# Altium PCB Mainboard_bc847c_bak.PcbDoc (part 1 of 2) (continued)
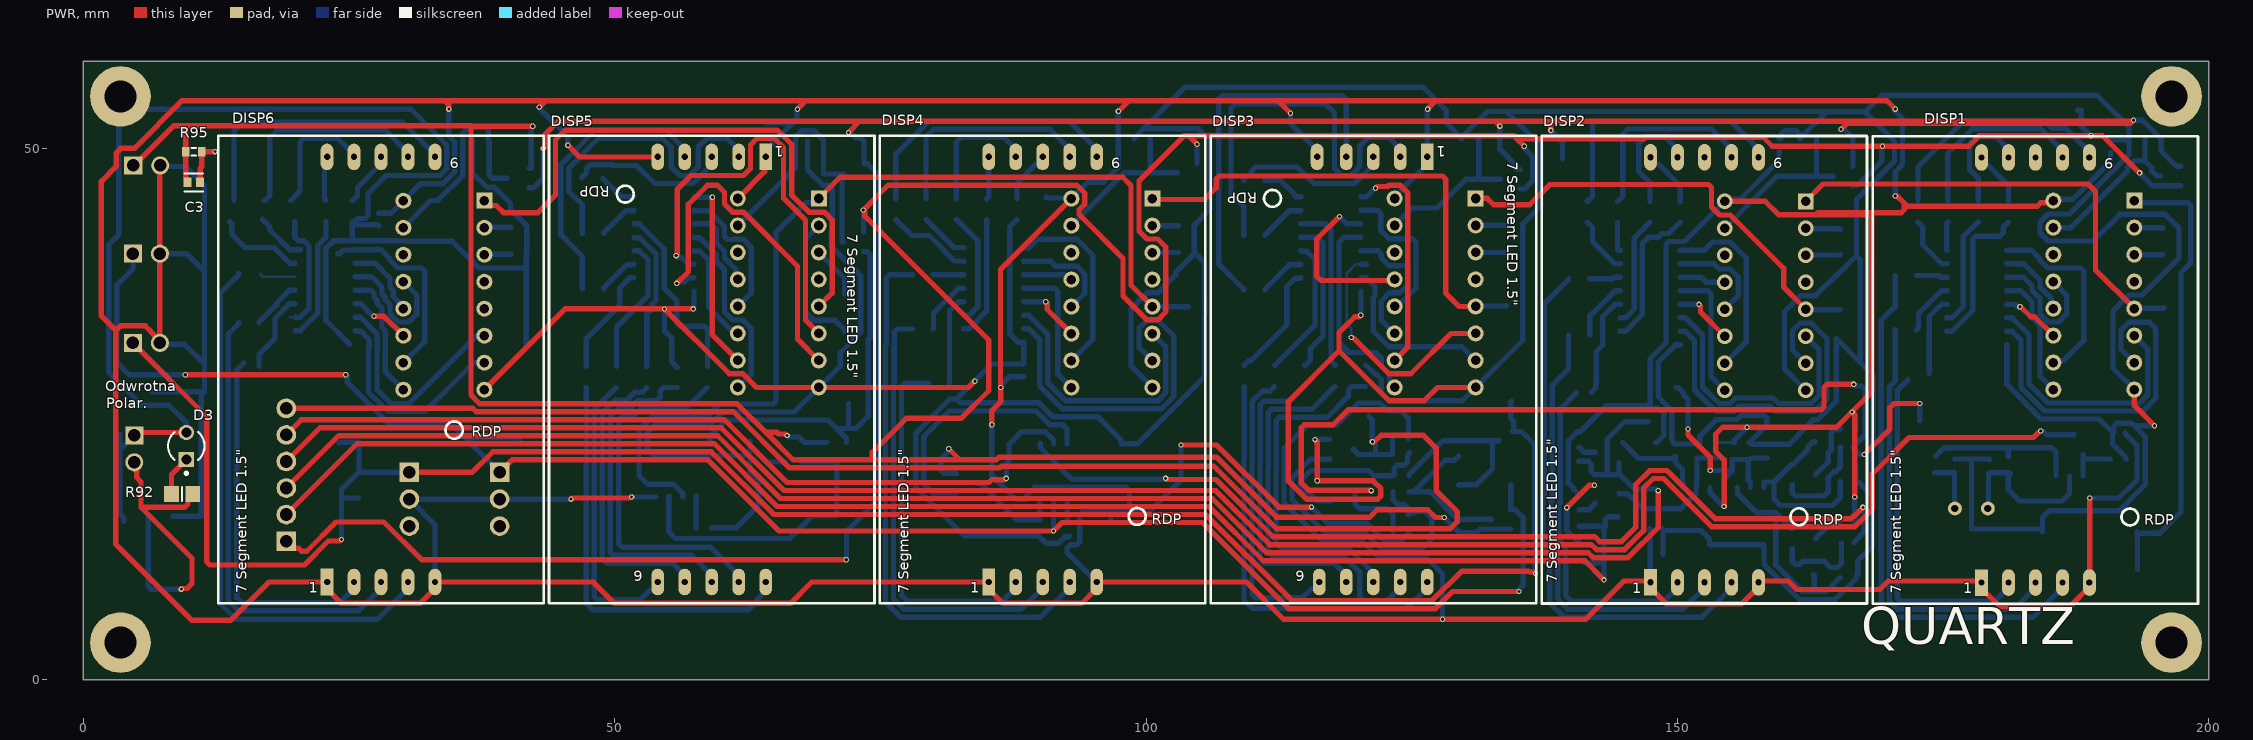
[diagram p0: PWR view]
## Footprints (in the part's own frame and the unit in brackets; to place one, negate y for a bottom-side part, rotate by r counter-clockwise, add the part's x,y. Pads: shape width x height; smd on the part's side, far side on the other; paste and mask are expansions set on the pad) (continued)
  rect 1.359x0.587 smd paste+0 mask+0: 1(-0.927,0.915)
  rrect100% 1.359x0.587 smd paste+0 mask+0: 2(-0.927,-0.915) 3(0.927,0)
  silkscreen extent 0.13,-1.45 0.65,1.45, body extent -1.2,-1.45 1.2,1.45, height 1.1
INF-PG-SOT223_SC-73_N [mm] "SOT223, 4-Leads, Body 6.5x3.5mm, Pitch 2.3mm, IPC Medium Density"
  rect 1.6x0.9 smd: 1(-3.3,2.3) 2(-3.3,0) 3(-3.3,-2.3)
  rect 1.6x3.2 smd: 4(3.3,0)
  silkscreen extent -3.42,-3.35 2.2,3.42, body extent -1.85,-3.35 1.85,3.35, height 1.8
INF-SOT23_L [mm] "SOT23, 3-Leads, Body 2.9x1.3 mm, Pitch 0.95 mm, IPC High Density"
  rect 0.75x0.6 smd: 1(-1.1,0.95) 2(-1.1,-0.95) 3(1.1,0)
  silkscreen extent -1.22,-1.5 0.7,1.92, body extent -0.7,-1.5 0.7,1.5, height 1.1
J1-0603 [mm] "Chip Resistor, Body 1.6x0.8mm, IPC High Density"
  rect 0.7x0.9 smd: 1(-0.75,0) 2(0.75,0)
  silkscreen extent -0.2,-0.35 0.2,0.35, body extent -0.85,-0.48 0.85,0.48, height 0.9
MOLX-22-27-2021_V [mm] "Header, 2-Leads, Body 5.8x5.08mm"
  rect 1.7x1.7 hole 1.19: 1(-1.27,0)
  round 1.7 hole 1.19: 2(1.27,0)
  silkscreen extent -3.31,-2.9 2.54,2.9, body extent -2.54,-2.9 2.54,2.9, height 11.72
N0016A [mm] "DIP, 16-Leads, Body 19.7x6.6mm, Pitch 2.54mm"
  rect 1.5x1.5 hole 0.9: 1(-3.81,8.89)
  round 1.5 hole 0.9: 2(-3.81,6.35) 3(-3.81,3.81) 4(-3.81,1.27) 5(-3.81,-1.27) 6(-3.81,-3.81) 7(-3.81,-6.35) 8(-3.81,-8.89) 9(3.81,-8.89) 10(3.81,-6.35) 11(3.81,-3.81) 12(3.81,-1.27) 13(3.81,1.27) 14(3.81,3.81) 15(3.81,6.35) 16(3.81,8.89)
  silkscreen extent -3.94,-9.85 2.65,10.31, body extent -3.95,-9.85 3.95,9.85, height 5.08
R38 [mm] "Crystal, Thru-Hole; 2 Leads; Body 3.1 x 8.2 mm (Dia.xH)"
  round 1.3 hole 0.7: 1(0,1.55) 2(0,-1.55)
  silkscreen extent -1.55,-1.19 1.55,1.17
STM-SO-16_M [mm] "SOIC, 16-Leads, Body 10x4mm, Pitch 1.27mm, IPC Low Density"
  oval 1.65x0.65 smd: 1(-2.825,4.445) 2(-2.825,3.175) 3(-2.825,1.905) 4(-2.825,0.635) 5(-2.825,-0.635) 6(-2.825,-1.905) 7(-2.825,-3.175) 8(-2.825,-4.445) 9(2.825,-4.445) 10(2.825,-3.175) 11(2.825,-1.905) 12(2.825,-0.635) 13(2.825,0.635) 14(2.825,1.905) 15(2.825,3.175) 16(2.825,4.445)
  silkscreen extent -2.95,-5 1.6,5.44, body extent -2,-5 2,5, height 1.75
TestPoint-Footprint-1 [mil]
  rrect50% 80x60 smd: 1(0,0)
  silkscreen extent -55,-45 55,45

## Part data
"A GATE" "B GATE": library part CMP-04776-000327-1, "CONN HEADER VERT 3POS 2.54MM", Color=Natural, Contact Resistance=10mR, Current rating=4A, Housing Color=White, Max Operating Temperature=75°C, Min Operating Temperature=0°C, Voltage rating=250V, Connector Type="Male Pin", Contact material=Brass, Contact Mating Length=0.295inch, Contact Plating=Gold, Contact Type="Male Pin", Depth=5.8mm, Fastening Type=Friction, Gender=Male, Housing material=Nylon, Lead Pitch=2.54mm, Length=7.62mm, Mount="Through Hole", Number of Contacts=3, Number of Positions=3, Number of Rows=1, Orientation=Straight, Packaging=Bulk, Pitch=2.54mm, Radiation Hardening=No, RoHS Compliant=Yes, Series="KK® 6410", Termination=Solder, Working Voltage=250V
"A GT SW" "B GT SW" PWR RST: library part CMP-2000-05537-1, "Male Header, Pitch 2.54 mm, 1 x 2 Position, Height 11.7 mm, Tail Length 3.56 mm, 0 to 75 degC, RoHS, Bulk", Current - Max=4A, Manufacturer=Molex, Operating temperature=0°Cto+75°C, Package Description="2-Leads Header, Body 5.08 x 5.8 mm, Pitch 2.54 mm", Package Version="Rev. BC, 02/2012", PartNumber=0022272021, Voltage - Max=250V, Contact material=Tinplatedbrass, Current rating=4A, Datasheet URL=http://www.molex.com/pdm_docs/sd/022272021_sd.pdf, Datasheet Version="Rev. F, 06/2009", Housing material=Nylon(UL94V-0), Manufacturer URL=http://www.molex.com/, Mounting Technology=ThroughHole, No. of Positions=2, No. of Rows=1, Orientation=Vertical, Package Reference=22-27-2021, Pitch=2.54mm, Voltage rating=250V
C1 C2 C3 C4 C5 C6 C7 C8 C9 C10 C11 C12 C13 C14 C15 C16 C17 C18 C19 C20: library part CMP-1035-00914-3, "CAP CER 30PF 50V 5% NP0 0603", Capacitance="30 pF", Manufacturer=KEMET, Manufacturer Part Number=C0603C300J5GACTU, Package=C0603C-CF, Temperature="-55°C to +125°C", Temperature Characteristic=C0G, Temperature Coefficient=30ppm/°C, Temperature Range High=+125°C, Temperature Range Low=-55°C, Tolerance=0.05, Voltage rating="50 V", Automotive=Yes, Automotive Grade="Grade 1", Category=Cap, ComponentLink2Description=Datasheet, ComponentLink2URL=https://api.kemet.com/component-edge/download/datasheet/C0603C100J5GACAUTO.pdf, Device Class L1="Passive Components", Device Class L2=Capacitors, Device Class L3="Ceramic Capacitors", Digikey Description="CAP CER 30PF 50V 5% NP0 0603", Height=0.87mm, Lead Free=Yes, Material=Ceramic, Mouser Description="Multilayer Ceramic Capacitors MLCC - SMD/SMT 50volts 30pF C0G 5%", Octopart=https://octopart.com/c0603c300j5gactu-kemet-199455, RoHS=TRUE
D1 D2 D4 D5 D6 D7 D8 D9 D10 D11 D12 D13 D14: library part CMP-12790-000084-1, "DIODE ARRAY SCHOTTKY 30V SOT23-3", Average Rectified Current=200mA, Capacitance=10pF, Case/Package=SOT-23, Forward Voltage=800mV, Max Forward Surge Current (Ifsm)=600mA, Max Operating Temperature=150°C, Max Power Dissipation=200mW, Max Repetitive Reverse Voltage (Vrrm)=30V, Max Reverse Current=2uA, Min Operating Temperature=-65°C, Package Quantity=3000, Contact Plating=Tin, Current rating=200mA, Element Configuration="Common Cathode", Forward Current=200mA, Height=1mm, Lead Free="Lead Free", Length=2.9mm, Max Reverse Voltage (DC)=30V, Mount="Surface Mount", Number of Pins=3, Packaging="Tape and Reel", Peak Non-Repetitive Surge Current=600mA, Power Dissipation=200mW, Power Rating=200mW, Radiation Hardening=No, REACH SVHC="No SVHC", Reverse Recovery Time=5ns, RoHS Compliant=Yes, Series=-, Termination=SMD/SMT, Voltage Rating (DC)=30V, Weight=0.000282oz, Width=1.3mm
D3: library part CMP-18399-000007-1, "LED RED DIFFUSED T-1 T/H", Colour=Red, Forward Current=10mA, Forward Voltage=1.9V, Manufacturer=Broadcom, Max Junction Temp=+110°C, Package=0, Reverse Voltage=5V, Temperature="-40°C to +100°C", Temperature Range High=+100°C, Temperature Range Low=-40°C, Automotive=No, Category=Diode, ComponentLink2Description=Datasheet, ComponentLink2URL=https://docs.broadcom.com/docs/AV02-1555EN, Device Class L1=Optoelectronics, Device Class L2=LEDs, Device Class L3=unset, Digikey Description="LED RED DIFFUSED T-1 T/H", Lead Free=Yes, Led Orientation=Straight, Luminous Intensity=3.4mcd, Manufacturer Part Number=HLMP-1301, Mouser Description="Standard LEDs - Through Hole Red Diffused 635nm 3.4mcd", Octopart=https://octopart.com/hlmp-1301-broadcom-71130345, Peak Emmision Wavelength=635nm, RoHS=TRUE, Viewing Angle=60°, Wavelength=626nm
DISP1 DISP2 DISP4 DISP6: library part CMP-007-00036-2, "7 segment display 1.5 inch"
DISP3 DISP5: library part CMP-00000-1, "7 segment 1.5 inch display Upside down"
"MODE SWITCH": library part CMP-04776-000934-1, "CONN HEADER VERT 6POS 2.5MM", Color=Natural, Contact Resistance=20mR, Current rating=3A, Flammability Rating="UL94 V-0", Insulation Resistance=1GR, Max Operating Temperature=105°C, Max Voltage Rating (DC)=250.25kV, Min Operating Temperature=-40°C, Package Quantity=1, Voltage rating=250V, Connector Type="Male Pin", Contact Gender=Male, Contact material=Brass, Contact Mating Length=0.295inch, Contact Plating=Tin, Contact Type="Male Pin", Fastening Type=Friction, Gender=Male, Glow Wire Compliant=Non-compliant, Halogen Free="Low Halogen", Height=11.7mm, Hole Diameter=1.19mm, Housing Color=Natural, Housing material=Nylon, Lead Free="Lead Free", Lead Pitch=2.5mm, Length=14.5mm, Mount="Through Hole", Number of Circuits=6, Number of Contacts=6, Number of Poles=6, Number of Positions=6, Number of Rows=1, Orientation=Straight, Packaging=Bulk, Pitch=2.5mm, Radiation Hardening=No, Series="KK® 5045", Termination=Solder, Voltage Rating (AC)=250V, Voltage Rating (DC)=250V, Width=5.8mm, Working Voltage=250V
Q1 Q2 Q3 Q4 Q5 Q6: library part CMP-1177-00037-1, "NPN Silicon AF Transistor, 45 V VCEO, 100 mA IC, SOT23, Reel, Green", Manufacturer=Infineon, ComponentLink1Description="Manufacturer URL", ComponentLink1URL=http://www.infineon.com/, ComponentLink2Description=Datasheet, ComponentLink2URL=http://www.infineon.com/dgdl/bc847series_bc848series_bc849series_bc850series.pdf?folderId=db3a304314dca389011541d30fa21656&fileId=db3a304314dca389011541d4630a1657, ComponentLink3Description="Package Specification", ComponentLink3URL=http://www.infineon.com/dgdl/SOT23-Package_Overview.pdf?folderId=db3a30431936bc4b0119532290053c66&fileId=db3a30431936bc4b0119533468123c85, fT (typ)="250Â MHz", Green=TRUE, IBM (max)="200Â mA", IC (max)="100Â mA", ICBO (max)="15Â nA", ICM (max)="200Â mA", Mounting Technology="Surface Mount", PackageDescription="3-Pin Small Outline Transistor Package, 1.3 x 2.9 mm Body, 0.95 mm Pitch", PackageReference=SOT23, PackageVersion=Apr-08, Packing=Reel, PartNumber=BC847C, Polarity=NPN, Ptot (max)="330Â mW", VCBO (max)="50Â V", VCEO (max)="45Â V", VEBO (max)="6Â V"
Q7: library part CMP-1099-00020-1, "P-Channel SIPMOS Small-Signal-Transistor, -60 V VDS, -1.9 A ID, -55 to 150 degC, PG-SOT223 (SC-73), Reel, Green", Manufacturer=Infineon, ComponentLink1Description="Manufacturer URL", ComponentLink1URL=http://www.infineon.com/, ComponentLink2Description=Datasheet, ComponentLink2URL=http://www.infineon.com/dgdl/BSP170P_Rev2.53.pdf?folderId=db3a304314dca38901154a72e3951a65&fileId=db3a30433b47825b013b5fdad470576f, ComponentLink3Description="Package Specification", ComponentLink3URL=http://www.infineon.com/dgdl/SOT223-Package_Overview.pdf?folderId=db3a30431936bc4b0119530470b03c3d&fileId=db3a30431936bc4b0119531d40b93c5c, DatasheetVersion="Rev. 2.53", Green=TRUE, Halogen-free=TRUE, ID (max)="-1.9Â A", IDpuls (max)="-7.6Â A", Mode=Enhancement, Mounting Technology="Surface Mount", PackageDescription="4-Pin Small Outline Transistor Package, 6.5 x 3.5 mm Body, 2.3 mm Pitch", PackageReference="PG-SOT223 (SC-73)", PackageVersion=Apr-08, Packing=Reel, PartNumber=BSP170P, Polarity=P, Pto t (max)="1.8Â mW", QG="-12.5Â nC", RDS (on) (max)="300Â mOhm", Rth="110Â K/W", Technology=SIPMOS, VDS (max)="-60Â V", VGS(th) (max)="-4Â V", VGS(th) (min)="-2.1Â V"
R1 R2 R3 R4 R5 R6 R7 R8 R9 R10 R11 R12 R13 R14 R15 R16 R17 R18 R19 R20 R21 R22 R23 R24 R25 R26 R27 R28 R29 R30 R31 R32 R33 R34 R35 R36 R37 R38 R39 R40 R41 R42 R43 R44 R45 R46 R47 R48 R49 R50 R51 R52 R53 R54 R55 R56 R57 R58 R59 R60 R61 R62 R63 R64 R65 R66 R67 R68 R69 R70 R71 R72 R73 R74 R75 R76 R77 R78 R79 R80 R81 R82 R83 R84 R85 R86 R87 R88 R89 R90 R91 R92 R93 R94 R95: "Resistor", LatestRevisionDate=29-May-2009, LatestRevisionNote="IPC-7351 Footprint Added.", PackageDescription="Chip Resistor", PackageReference=J1-0603, Published=8-Jun-2000, Publisher="Altium Limited"
TP1 TP2 TP3 TP4 TP5 TP6 TP7 TP8 TP9 TP10 TP11 TP12 TP13 TP14 TP15 TP16 TP17 TP18 TP19 TP23 TP24: library part CMP-00001-5, "Pad for testing"
U1 U6: library part CMP-1623-00072-2, "CMOS Decade Counter with 10 Decoded Outputs, D0016A, LARGE T&R", F @ Nom Voltage(Max)(Mhz)=8, Generic Part Number=CD4017B, ICC @ Nom Voltage(Max)(mA)=0.03, Manufacturer="Texas Instruments", Operating Temperature Range(C)="-55 to 125", Rating=Military, tpd @ Nom Voltage(Max)(ns)=270, Voltage(Nom)(V)=10, Bits(#)=10, Code_JEDEC="MS-012 variation AC", DatasheetVersion=SCHS027C, Function=Counter, Input Type=CMOS, Inputs=1, Output Drive (IOL/IOH)(Max)(mA)=1.5/-1.5, Output Type=CMOS, PackageReference=D0016A, Schmitt Trigger=No, Technology Family=CD4000, Type=Decade, VCC(Max)(V)=18, VCC(Min)(V)=3
U2 U4 U7 U9 U11 U13: library part CMP-1623-00561-2, "CMOS Decade Counter/Divider with Decoded 7-Segment Display Outputs and Display Enable, N0016A, TUBE", F @ Nom Voltage(Max)(Mhz)=8, Generic Part Number=CD4026B, ICC @ Nom Voltage(Max)(mA)=0.03, Manufacturer="Texas Instruments", Operating Temperature Range(C)="-55 to 125", Rating=Catalog, tpd @ Nom Voltage(Max)(ns)=250, Voltage(Nom)(V)=5,10,15, Bits(#)=7, Code_JEDEC=MS-001, DatasheetVersion=SCHS031B, Function=Counter, Input Type=CMOS, Inputs=1, Output Drive (IOL/IOH)(Max)(mA)=1.5/-1.5, Output Type=CMOS, PackageReference=N0016A, Schmitt Trigger=No, Technology Family=CD4000, Type=Decade, VCC(Max)(V)=18, VCC(Min)(V)=3
U3 U5 U8 U10 U12 U14: library part CMP-2000-05374-1, "Seven NPN Darlington Array Transistor, 50 V, 500 mA, -40 to 85 degC, 8-Pin SOIC, RoHS, Tape and Reel", Collector Emitter Voltage V(br)ceo=50V, DC Collector Current=500mA, DC Current Gain hFE=1000hFE, Manufacturer=STMicroelectronics, Operating Temperature Max=85degC, Package Description="16-Pin Small Outline Integrated Circuit, Body 9.9 x 3.9 mm, Pitch 1.27 mm", Package Reference=SO-16, Power Dissipation Pd=-, Transistor Case Style=SOIC, Automotive Qualification Standard=-, Datasheet URL=https://datasheet.ciiva.com/1193/1690348-1193460.pdf, Datasheet Version="Rev. 8, 06/2012", Manufacturer URL=http://www.st.com/, MSL=MSL1-Unlimited, No. of Pins=16Pins, Product Range=-, SVHC=NoSVHC(17-Dec-2015), Transistor Polarity=NPN
U15: library part CMP-1086-00004-4, "CMOS 14-Stage Ripple Carry Binary Counter / Divider and Oscillator, 3 to 18 V, -55 to 125 degC, 16-Pin SOIC (D), Green (RoHS & no Sb/Br), Tape and Reel", Manufacturer="Texas Instruments", Temperature Range="-55 to 125 degC", ComponentLink1Description="Manufacturer URL", ComponentLink1URL=http://www.ti.com, ComponentLink2Description=Datasheet, ComponentLink2URL=http://www.ti.com/lit/ds/symlink/cd4060b.pdf, ComponentLink3Description="Package Specification", ComponentLink3URL=http://www.ti.com/lit/ml/mpds178g/mpds178g.pdf, DatasheetVersion=SCHS049C, Mounting Technology="Surface Mount", Note1="Green (RoHS & no Sb/Br)", PackageDescription="16-Pin Plastic Small-Outline Package, Body 9.9 x 3.9 mm, Pitch 1.27 mm", PackageReference=D0016A, PackageVersion=4040047-6/M, Packing="Tape and Reel", PartNumber=CD4060BM96, tPHL, tPLH (typ) @ 5 V="370 ns", VDD="3 to 18 V"
U16: library part CMP-04896-000028-1, "IC QUAD DIFF COMP 14-SOIC", Input Bias Current=-0.025uA, Input Offset Voltage=2mV, Manufacturer="Texas Instruments", Max Dual Supply Voltage=18V, Max Junction Temp=+70°C, Max Supply Voltage=30V, Min Dual Supply Voltage=1V, Min Supply Voltage=2V, Nominal Supply Current=0.8mA, Output Current Per Channel=6mA, Package=D0014A, Temperature="0°C to +70°C", Temperature Range Low=0°C, Automotive=No, Category=IC, ComponentLink2Description=Datasheet, ComponentLink2URL=http://www.ti.com/lit/ds/symlink/lm339.pdf, Device Class L1="Integrated Circuits (ICs)", Device Class L2="Linear ICs", Device Class L3=Comparators, Digikey Description="IC QUAD DIFF COMP 14-SOIC", Height=1.75mm, Ipc Land Pattern Name=SOIC127P600X175-14, Lead Free=Yes, Manufacturer Part Number=LM339DR, Mouser Description="Analog Comparators Quad Differential", Number Of Channels=4, Octopart=https://octopart.com/lm339dr-texas+instruments-45532, Response Time=1.3us, RoHS=TRUE, Standoff Height=0.1mm, Temperature Range High=+70°C
Y1: library part XTAL, "Crystal Oscillator", LatestRevisionDate=17-Jul-2002, LatestRevisionNote="Re-released for DXP Platform.", PackageDescription="Crystal, Thru-Hole; 2 Leads; Body 3.1 x 8.2 mm (Dia.xH)", PackageReference=R38, Published=8-Jun-2000, Publisher="Altium Limited"

## Free pads (board coordinates)
  round 5.7 hole 3: 2(3.5,3.5) 2(3.5,54.9) 2(196.5,3.5) 2(196.5,54.9)

## Via types
v1: diameter 0.5, hole 0.3, PWR to GND, 78 vias

## Nets (pads, with @x,y where several pads share a name; then routed paths per layer and width w, separated by ;. In a path a pad name is that pad's centre, name@x,y a point inside that pad or via, vN(x,y) a via of type N, cw(c..) or ccw(c..) an arc to the next point about the centre after c; other vN are vias at no path point)
0.1Hz: TP23.1 U2.5 U4.1 U6.14 | length 90.8
  PWR w0.5: U4.1@69.21,45.29 71.208,47.288 97.811,47.288 98.592,46.507 98.592,37.128 U2.5@100.6,35.12
  GND w0.5: U6.14@56.395,17.204 56.395,17.554 55.549,18.4 53.1,18.4 52.3,19.2 52.3,23.549 53.497,24.746 58.673,24.746 59.875,25.947 64.883,25.947 65.176,26.24 65.176,42.076 68.02,44.92 68.84,44.92 U4.1@69.21,45.29 ; U2.5@100.6,35.12 100.61,35.11 103.29,35.11 103.3,35.1 TP23.1@104,35.1
1Hz: TP5.1 U2.1 U13.5 | length 46.1
  PWR w0.5: U2.1@100.6,45.28 100.68,45.2 105.5,45.2 106.6,46.3 106.6,47.107 106.893,47.4 127.907,47.4 128.2,47.107 128.2,36.4 129.47,35.13 U13.5@131.01,35.13
  GND w0.5: U13.5@131.01,35.13 131.045,35.165 133.865,35.165 TP5.1@133.9,35.2
10Hz: TP3.1 U11.5 U13.1 | length 42.3
  PWR w0.5: U13.1@131.01,45.29 131.02,45.3 132.1,45.3 132.7,44.7 136.1,44.7 138,46.6 152.915,46.6 153.207,46.307 153.207,44.506 153.974,43.739 154.981,43.739 160,38.72 160,36.947 U11.5@162.081,34.865
  GND w0.5: U11.5@162.081,34.865 162.114,34.833 165.267,34.833 TP3.1@165.3,34.8
"60 second reset": D7.2 D8.2 TP24.1 U6.5 | length 36.8
  GND w0.5: U6.5@58.935,22.525 58.935,22.875 60.499,24.439 70.088,24.439 70.874,23.654 ; D8.2@71.815,22.327 71.815,22.713 70.874,23.654 ; TP24.1@72,26 72,23.654 ; D7.2@73.412,40.285 73.774,40.285 74.052,40.007 74.052,32.189 73.856,31.993 73.856,28.9 73.856,24.8 72.71,23.654 72,23.654 ; 70.874,23.654 72,23.654
100Hz: TP1.1 U9.5 U11.1 | length 43.6
  PWR w0.5: U11.1@162.081,45.025 163.716,46.66 182.44,46.66 188.64,46.66 189.354,45.946 189.354,38.573 U9.5@193,34.927
  GND w0.5: U9.5@193,34.927 193.037,34.963 195.743,34.963 TP1.1@195.78,35
+5: "A GATE.2" "A GT SW.2" "B GATE.2" "B GT SW.2" C9.2 C10.2 C11.2 C12.2 C13.2 C14.2 C15.2 C16.2 C17.2 C18.2 DISP1.1 DISP1.5 DISP2.1 DISP2.5 DISP3.1 DISP3.5 DISP4.1 DISP4.5 DISP5.1 DISP5.5 DISP6.1 DISP6.5 Q7.3 R72.1 R73.1 R78.1 R79.1 R80.1 R83.1 R86.1 R89.1 R90.1 RST.2 TP11.1 U1.16 U2.16 U4.16 U6.16 U7.16 U9.16 U11.16 U13.16 U15.16 U16.3 | length 925.9
  PWR w0.5: 7.21,31.7 7.21,31.889 ; RST.2@7.21,48.3 7.21,40.1 7.21,31.889 ; v1(34.4,53.7) 34.4,54.1 34,54.5 ; v1@42.9,53.863 43.537,54.5 ; v1(45.6,50.3) 46.7,49.2 DISP5.5@54.052,49.2 ; v1(45.9,17) 46,17.1 51.5,17.1 v1(51.6,17.2) ; U4.16@61.59,45.29 64.112,47.812 64.112,49.1 DISP5.1@64.212,49.2 ; v1(67.2,53.695) 68.005,54.5 ; v1(85.5,24) 85.5,25.331 86.339,26.17 v1(86.339,27.5) 86.3,27.539 86.3,38.6 U2.16@92.98,45.28 ; v1(97.4,53.5) 98.4,54.5 ; v1(103.3,22.1) 106.646,22.1 112.5,16.246 v1(115.582,16.246) ; v1(113.6,53.31) 112.5,54.41 112.5,54.5 ; DISP3.5@116.1,49.2 DISP3.5@116.1,49.796 ; DISP3.1@126.368,49.95 126.468,49.85 DISP3.1@126.468,49.2 ; v1(126.5,53.695) 127.305,54.5 ; v1(154.4,16.3) 154.4,20.7 153.6,21.5 153.6,23.1 154.261,23.761 v1(156.561,23.761) 164.972,23.761 v1@166.411,25.2 ; U11.16@154.461,45.025 158.259,45.025 159.513,43.771 163.04,43.771 ; v1@166.428,25.218 168.3,27.089 168.3,43.771 163.04,43.771 ; v1(166.446,25.2) 166.7,24.946 v1(166.7,17.2) ; v1(170.5,45.521) 170.679,45.521 171.36,44.84 ; v1(170.5,53.7) 169.7,54.5 127.305,54.5 ; U9.16@185.38,45.087 185.189,44.895 184.206,44.895 183.872,44.561 171.639,44.561 171.36,44.84 ; DISP1.5@188.75,8.704 186.946,6.9 180.34,6.9 178.59,8.65 178.59,9.3 169.84,9.3 169.04,8.5 161.233,8.5 160.433,9.3 157.622,9.3 157.622,8.565 157.539,8.482 157.399,8.482 156.084,7.166 148.946,7.166 147.692,8.42 147.571,8.42 147.462,8.529 147.462,9.3 144.964,9.3 141.352,5.688 112.965,5.688 109.453,9.2 DISP4.5@95.36,9.2 95.36,8.604 93.952,7.196 86.554,7.196 85.2,8.55 DISP4.1@85.2,9.2 68.544,9.2 66.54,7.196 49.984,7.196 47.98,9.2 DISP6.5@33.1,9.2 33.1,8.604 31.692,7.196 24.294,7.196 22.94,8.55 DISP6.1@22.94,9.2 17.477,9.2 13.888,5.611 10.189,5.611 3.066,12.734 3.066,32.862 ; DISP1.5@188.8,9.2 v1(188.8,17.1) ; 3.066,32.862 3.508,33.304 5.832,33.304 6.369,32.767 6.369,32.73 7.21,31.889 ; 3.066,32.862 1.7,34.228 1.7,46.9 3.096,48.296 3.096,49.562 3.538,50.004 4.804,50.004 9.3,54.5 34,54.5 ; 34,54.5 43.537,54.5 ; 43.537,54.5 68.005,54.5 ; 68.005,54.5 98.4,54.5 ; 98.4,54.5 112.5,54.5 ; 112.5,54.5 127.305,54.5 ; 163.04,43.771 163.228,43.96 171.067,43.96 171.36,44.252 171.36,44.84
  GND w0.254: R83.1@153.8,22.35 153.819,22.331 R78.1@155.253,22.331
  GND w0.5: TP11.1@6.5,27.1 11.4,27.1 ; 7.21,31.7 7.344,31.566 9.548,31.566 11.4,29.714 ; 7.21,40.1 9.7,40.1 11.4,38.4 ; RST.2@7.21,48.3 9.6,48.3 11.4,46.5 11.4,38.4 ; Q7.3@8.4,15.4 11.1,15.4 11.1,26.8 11.4,27.1 ; C13.2@27.805,43.9 28.943,43.9 U7.16@30.123,45.08 31.726,46.682 33.86,46.682 34.958,47.78 34.958,50.62 34.4,51.178 v1(34.4,53.7) ; DISP6.5@33.1,9.2 33.1,14.58 30.68,17 39.18,17 v1(45.9,17) ; v1(42.9,53.9) 42.9,53.8 45.6,51.1 v1(45.6,50.3) ; v1(51.6,17.2) 51.604,17.204 U6.16@53.855,17.204 ; C11.2@64.2,52.4 66.1,52.4 66.431,52.069 ; DISP5.1@64.212,49.2 64.212,49.85 66.431,52.069 ; v1(67.2,53.695) 67.148,53.643 67.148,52.787 66.431,52.069 ; v1(85.5,24) 85.5,19.232 87.757,16.975 U1.16@88.755,16.975 88.755,17.325 89.534,18.104 98.1,18.104 98.424,17.78 98.424,16.17 98.1,15.846 ; v1(86.339,27.5) 86.339,27.708 87.121,28.49 87.121,28.521 C12.2@88.5,28.521 ; C10.2@90.6,45.4 90.66,45.34 92.92,45.34 U2.16@92.98,45.28 94.513,46.813 95.987,46.813 97.4,48.226 v1(97.4,53.5) ; DISP4.5@95.36,9.2 92.571,11.989 92.571,12.403 92.864,12.696 93.459,12.696 93.754,12.991 93.754,15.553 94.047,15.846 96.6,15.846 ; C9.2@96.7,14.8 96.7,15.746 96.6,15.846 ; v1(103.3,22.1) 103.3,18.8 100.346,15.846 98.1,15.846 ; v1(113.6,53.31) 113.6,52.35 116.1,49.85 DISP3.5@116.1,49.2 ; v1(115.582,16.246) 117.104,14.724 120.794,14.724 122.572,12.946 123.896,12.946 124.75,13.8 R72.1@124.75,13.9 ; U13.16@123.39,45.29 123.39,45.472 126.468,48.55 DISP3.1@126.468,49.2 126.468,53.663 v1(126.5,53.695) ; R73.1@124.697,22.654 124.697,24.597 123.969,25.324 122.736,25.324 122.009,26.052 119.98,26.052 117.867,23.938 115.138,23.938 113.007,21.807 113.007,19.34 112.984,19.316 112.984,16.65 116.418,13.216 120.169,13.216 121.947,11.438 126.442,11.438 127.9,9.98 v1(127.9,5.7) ; R90.1@140.774,17.504 140.674,17.504 140.254,17.925 140.254,17.983 139.746,18.491 139.746,22.496 140.6,23.35 R86.1@140.7,23.35 140.871,23.35 143.321,25.8 147.446,25.8 ; C15.2@147.4,14.2 147.464,14.136 C18.2@147.464,12.043 C18.2@147.464,11.8 ; DISP2.1@147.462,9.3 147.463,9.301 C18.2@147.463,11.8 ; R79.1@147.961,22.33 148.061,22.33 148.72,22.989 148.72,25.038 148.202,25.556 147.446,25.556 147.446,25.8 ; U16.3@153.073,18.094 153.073,17.619 153.539,17.153 153.539,17.11 154.349,16.3 v1(154.4,16.3) ; R78.1@155.261,22.323 155.361,22.323 155.361,22.561 v1(156.561,23.761) ; C17.2@159.6,49.7 159.568,49.668 159.568,48.868 155.917,45.217 154.653,45.217 U11.16@154.461,45.025 150.671,41.235 149.231,41.235 148.938,40.942 148.938,31.713 147.446,30.221 147.446,25.8 ; v1(166.446,25.2) 166.74,24.906 166.74,23.831 166.715,23.806 R80.1@166.815,23.706 ; v1(166.7,17.2) 166.7,14.686 R89.1@166.715,14.672 ; v1@170.429,45.521 v1(170.5,45.521) ; v1@170.5,45.592 170.5,47.8 171.193,48.493 171.193,52.799 170.5,53.492 v1(170.5,53.7) ; U9.16@185.38,45.087 185.512,45.219 187.217,45.219 190.766,48.768 190.766,49.573 C16.2@190.793,49.6 ; v1(188.8,17.1) 191.533,17.1 193.25,18.817 U15.16@193.25,19.167 193.25,22.029 192.154,23.125 C14.2@192.154,23.2 ; 11.4,27.1 11.4,29.714 ; 11.4,29.714 11.4,38.4 ; 96.6,15.846 98.1,15.846
"Display Reset 1": C3.1 D2.2 D4.2 D5.1 D7.1 D8.1 D10.1 D11.2 D12.2 D13.2 R95.1 RST.1 TP2.1 | length 400.6
  PWR w0.5: RST.1@4.67,48.3 8.495,52.125 9.2,52.125 ; C3.1@9.8,46.8 9.675,46.925 9.675,47.268 9.65,47.293 9.65,51.675 9.2,52.125 ; 36.489,52.125 9.2,52.125 ; v1(42.3,52.082) 42.282,52.1 36.489,52.1 36.489,26.781 37.292,25.978 61.522,25.978 64.2,23.3 ; v1(66.228,22.984) 66.081,23.131 65.435,23.131 65.266,23.3 64.2,23.3 ; v1(81.439,21.739) 82.378,20.8 ; 103.558,51.158 99.346,46.946 99.346,42.221 100.097,41.47 101.103,41.47 101.854,40.719 101.854,34.601 101.119,33.866 100.081,33.866 97.838,36.109 97.838,39.655 93.691,43.803 93.691,44.217 94.234,44.761 94.234,45.799 93.499,46.534 75.734,46.534 v1(73.4,44.2) 73.547,44.053 73.547,43.614 85.2,31.961 85.2,27.2 82.601,24.601 77.437,24.601 74.25,21.414 74.25,20.707 ; 103.593,51.193 134.607,51.193 134.9,50.9 ; 104.057,51.143 v1(104.8,50.4) ; v1(128.062,15.272) 127.238,15.272 126.51,16 121.763,16 121.063,15.3 112.264,15.3 106.616,20.948 86.16,20.948 85.918,20.707 74.25,20.707 ; v1(135.6,50.2) 134.9,50.9 ; v1(193.5,47.7) 190.007,51.193 178.422,51.193 177.429,50.2 v1(169.3,50.2) 158.933,50.2 158.079,51.054 147.005,51.054 146.85,50.9 134.9,50.9 ; 64.2,23.3 66.793,20.707 74.25,20.707
  GND w0.5: D10.1@41.97,48.115 42.109,48.115 42.153,48.158 42.153,51.935 v1(42.3,52.082) ; v1(66.228,22.984) 66.375,22.837 67.353,22.837 67.863,22.327 D8.1@69.985,22.327 ; v1(73.4,44.2) 73.412,44.188 D7.1@73.412,42.115 ; v1(81.439,21.739) 81.439,21.531 80.685,20.776 80.685,19.708 80.978,19.415 D4.2@82.173,19.415 ; v1(104.8,50.4) 104.801,50.399 D5.1@104.802,48.615 D5.1@104.802,48.615 ; v1(128.062,15.272) 129.485,13.848 131.097,13.848 131.434,14.185 D2.2@134.327,14.185 ; D13.2@135.212,46.185 135.598,46.185 136.395,46.982 136.395,49.196 135.6,49.992 v1(135.6,50.2) ; D12.2@166.527,46.485 166.555,46.513 166.941,46.513 169.243,48.815 169.243,50.143 v1(169.3,50.2) ; TP2.1@187.675,53.6 TP2.1@188,53.6 188,52.1 v1(188.9,51.2) ; v1(193.5,47.7) 194.715,46.485 D11.2@197.353,46.485
"Display Reset 2": "MODE SWITCH.1" D6.1 D9.1 D10.2 D11.1 D12.1 D13.1 TP4.1 | length 304.6
  PWR w0.5: 19.1,13.046 19.775,12.371 20.275,12.371 20.554,12.091 21.025,12.091 23.788,14.854 28.272,14.854 31.826,11.3 v1(71.8,11.3) ; v1(43.292,50) 43.439,50.147 43.439,51.305 44.69,52.556 73.056,52.556 ; v1(72,51.5) 73.056,52.556 ; v1(133.3,52.1) 132.844,52.556 ; v1@138.1,51.654 v1(138.1,51.7) 138.1,52.556 ; v1(165.4,51.8) 165.961,52.361 192.629,52.361 v1@192.824,52.556 ; v1(192.917,52.649) v1@192.824,52.556 ; 73.056,52.556 132.844,52.556 ; 132.844,52.556 134.076,52.556 138.1,52.556 ; 138.1,52.556 v1@192.824,52.556
  GND w0.5: D10.2@41.97,46.285 42.356,46.285 43.292,47.221 v1(43.292,50) ; v1@71.8,11.5 71.815,11.515 D9.1@71.815,13.573 71.815,13.959 74.61,16.754 74.61,31.681 74.806,31.877 74.806,47.521 73.769,48.558 73.47,48.558 73.47,50.658 73.129,50.999 72.709,50.999 72.208,51.5 v1(72,51.5) ; v1(133.3,52.1) 133.3,49.927 134.783,48.444 134.783,48.058 134.826,48.015 D13.1@135.212,48.015 ; v1(138.1,51.7) 139.2,50.6 TP4.1@139.2,49 ; v1(165.4,51.8) 165.7,51.8 166.527,50.973 D12.1@166.527,48.315 ; v1(192.917,52.649) 193.764,52.649 195.531,50.881 195.531,49.751 196.967,48.315 D11.1@197.353,48.315
GND: "A GATE.3" "B GATE.3" C1.2 C2.2 C3.2 C6.1 C7.1 C8.1 C9.1 C10.1 C11.1 C12.1 C13.1 C14.1 C15.1 C16.1 C17.1 C18.1 C19.2 C20.2 D3.2 pad.2 PWR.1 Q1.2 Q2.2 Q7.1 R1.2 R2.2 R10.2 R11.2 R12.2 R20.2 R21.2 R22.2 R23.1 R24.1 R25.2 R26.2 R34.2 R35.2 R36.2 R44.2 R45.2 R46.2 R54.2 R55.2 R56.2 R64.2 R65.2 R66.2 R67.1 R68.1 R71.2 R81.2 R82.2 R84.2 R85.2 R87.2 R88.2 R91.2 R93.2 R94.2 R95.2 U1.8 U2.8 U3.8 U4.8 U5.8 U6.8 U7.8 U8.8 U9.8 U10.8 U11.8 U12.8 U13.8 U14.8 U15.8 U16.8 U16.9 U16.10 U16.11 U16.12 | length 891.2
  PWR w0.5: PWR.1@4.8,23 5.07,23.27 D3.2@9.7,23.27 ; C3.2@11,46.8 11,48.112 11.15,48.263 R95.2@11.15,49.7 v1(12.4,49.7) ; U7.8@37.743,27.3 45.343,34.9 54.689,34.9 v1(54.7,34.889) 60.793,28.796 62.077,28.796 63.363,27.51 U4.8@69.21,27.51 83.31,27.51 v1(83.9,28.1) ; v1@54.7,34.9 v1(57.4,34.9) ; v1(115.9,22.6) 116.121,22.379 v1(116.121,18.721) 121.379,18.721 122.1,18 122.1,17.3 121.8,17 115.1,17 113.4,18.7 113.4,26.194 118.166,30.96 ; v1(120.2,34.3) 120.053,34.153 119.642,34.153 118.166,32.677 118.166,30.96 ; U13.8@131.01,27.51 127.432,27.51 126.178,26.256 122.871,26.256 118.166,30.96 ; v1(139.6,16.2) 141.7,18.3 v1(142.2,18.3) ; U9.8@193,27.307 193,25.8 v1(194.9,23.9)
  GND w0.5: 3.446,21.646 PWR.1@4.8,23 ; 3.446,23.046 3.446,15.604 3.8,15.25 Q7.1@3.8,14.9 ; D3.2@9.7,23.27 9.7,24.2 8.066,25.834 5.498,25.834 2.4,28.932 2.4,40.963 3.346,41.909 3.346,53.154 2.8,53.7 30.811,53.7 34.204,50.307 34.204,48.093 33.557,47.446 28.477,47.446 26.8,45.769 26.8,43.716 26.496,43.412 25.798,43.412 25.698,43.312 25.698,43.1 R67.1@25.298,43.1 R67.1@25.298,42.8 ; U8.8@25.068,31.581 22.819,33.83 22.819,37.402 22.804,37.417 22.804,40.572 23.532,41.3 25.247,41.3 ; C13.1@27.805,42.7 27.68,42.825 25.323,42.825 R67.1@25.298,42.8 ; R35.2@36.593,50.8 36.593,47.75 38.009,46.334 38.702,46.334 40.173,44.863 40.173,44.271 41.743,42.7 R34.2@41.743,42.6 41.718,42.575 41.718,40.025 R36.2@41.693,40 41.693,38.7 ; U7.8@37.743,27.3 41.693,31.25 41.693,38.7 ; v1(54.7,34.889) 54.7,32.815 55.379,32.135 55.379,29.9 R24.1@55.879,29.4 ; v1(57.4,34.9) 57.466,34.966 U5.8@57.466,36.55 ; R25.2@59.15,14.3 61.425,14.3 63.524,16.399 63.524,18.85 62.745,19.629 62.745,21.1 ; U6.8@62.745,22.454 U6.8@62.745,22.104 ; R26.2@66.05,20.5 64.349,20.5 U6.8@62.745,22.104 ; R21.2@68.15,50.7 68.146,50.696 68.146,47.988 69.59,46.544 70.169,46.544 70.464,46.249 70.464,42.231 70.375,42.142 70.375,40.818 73.15,38.043 R22.2@73.15,36.3 R20.2@73.15,32.8 73.15,32.7 71.226,30.776 71.226,29.526 U4.8@69.21,27.51 66.893,25.193 60.187,25.193 58.986,23.992 53.809,23.992 53.076,23.259 53.076,21.649 53.625,21.1 62.745,21.1 ; R23.1@87.861,43.274 87.811,43.274 87.167,42.63 87.167,32.584 87.996,31.755 U3.8@88.496,31.755 88.498,31.753 88.498,29.723 C12.1@88.5,29.721 85.484,29.721 82.167,26.404 ; R1.2@92.8,13.55 92.7,13.45 92.362,13.45 91.772,12.86 90.59,12.86 89.9,13.55 R2.2@89.8,13.55 82.884,13.55 78.346,18.088 78.346,23.212 81.538,26.404 82.167,26.404 ; R11.2@98.9,50.9 98.9,51 99.754,51.854 ; U2.8@100.6,27.5 98.592,29.508 98.592,34.885 100.113,36.406 101.119,36.406 102.785,38.071 102.785,38.335 R12.2@104.55,40.1 ; v1(115.9,22.6) 115.925,22.625 117.275,22.625 Q2.2@117.3,22.65 ; v1@116.1,18.7 v1(116.121,18.721) Q1.2@117.4,18.721 ; v1(120.2,34.3) 120.225,34.325 U14.8@120.225,36.555 ; R68.1@120.654,29.6 120.704,29.6 121.5,28.804 121.613,28.804 122.136,28.281 122.136,26.991 122.871,26.256 129.756,26.256 U13.8@131.01,27.51 135.45,31.95 R66.2@135.45,40.2 R64.2@135.45,42.8 135.45,42.9 137.149,44.599 137.149,50.261 133.94,53.471 ; R65.2@129.65,50.9 R65.2@129.65,51 ; v1(139.6,16.2) 139.6,14.024 140.674,12.95 R85.2@140.774,12.95 ; C15.1@148.6,14.2 148.6,14.171 148.725,14.046 152.239,14.046 153.023,13.262 153.023,12.744 U16.12@153.073,12.694 U16.11@154.343,12.694 U16.10@155.613,12.694 U16.9@156.883,12.694 U16.8@158.153,12.694 158.153,10.859 161.466,7.546 164.855,7.546 166.815,9.506 R91.2@166.815,9.606 166.815,9.706 166.965,9.856 R84.2@166.965,11.06 166.965,11.16 168.339,12.534 168.339,17.287 ; C18.1@148.651,11.812 C15.1@148.651,14.03 ; U12.8@150.267,31.516 149.808,31.516 148.2,29.908 148.2,26.624 149.474,25.35 149.474,22.628 149.596,22.506 149.596,22.309 149.721,22.184 C7.1@149.796,22.184 149.802,22.179 151.948,22.179 C8.1@151.953,22.173 151.981,22.173 152.106,22.298 152.106,22.906 153.683,24.483 155.606,24.483 156.022,24.9 158.107,24.9 158.4,24.607 158.4,23.962 R81.2@156.761,22.323 ; R81.2@156.861,22.323 157.011,22.173 C6.1@158.565,22.173 160.573,22.173 161.427,23.027 161.427,23.133 162.754,24.46 163.202,24.46 164.961,26.219 164.961,32.115 167.2,29.876 ; C17.1@159.6,50.9 159.675,50.9 159.8,51.025 159.8,51.373 160.093,51.666 161.207,51.666 161.5,51.373 161.5,51 R55.2@161.6,50.9 ; R55.2@161.6,51 164.039,53.439 ; U11.8@162.081,27.245 160.073,29.253 160.073,34.631 161.594,36.151 163.014,36.151 164.917,38.055 ; 164.961,38.011 R56.2@166.85,39.9 ; R88.2@166.794,20.08 166.794,18.832 168.339,17.287 ; C2.2@176.074,20.767 177.684,20.767 ; C1.2@179.343,20.717 179.293,20.767 177.684,20.767 ; U10.8@181,31.527 181,27.781 184.236,24.545 189.685,24.545 190.97,23.259 191.079,23.368 191.079,23.861 191.372,24.154 192.738,24.154 192.992,23.9 ; U15.8@184.36,13.917 U15.8@184.36,14.159 ; C16.1@190.793,50.8 192.4,50.8 R45.2@192.5,50.9 ; C14.1@190.954,23.2 190.954,22.171 192.154,20.971 192.154,20.871 R71.2@192.254,20.771 ; U9.8@193,27.307 190.992,29.315 190.992,34.692 192.513,36.213 193.713,36.213 197.2,39.7 R46.2@197.2,39.8 R44.2@197.2,42.5 197.2,42.513 195.912,43.801 191.64,43.801 189.132,41.293 184.861,41.293 184.126,42.027 184.126,43.066 184.893,43.833 186.897,43.833 192.5,49.436 R45.2@192.5,50.9 ; v1(194.9,23.9) 192.992,23.9 ; R67.1@25.298,42.8 25.298,41.3 29.59,41.3 29.604,41.286 30.611,41.286 30.643,41.254 34.716,41.254 37.224,38.746 41.647,38.746 41.693,38.7 ; 62.745,21.1 U6.8@62.745,22.104 ; 82.167,26.404 82.517,26.054 89.949,26.054 91.265,24.738 95.482,24.738 97.645,22.575 U1.8@97.645,22.225 99.231,22.225 105.5,28.494 105.5,34.332 105.52,34.352 105.52,35.848 105.5,35.868 105.5,39.25 R12.2@104.55,40.2 R10.2@104.55,42.7 104.55,42.8 105.985,44.235 105.985,50.825 104.957,51.854 99.754,51.854 ; 99.754,51.854 103.662,55.762 126.044,55.762 128.261,53.545 128.261,52.389 R65.2@129.65,51 ; R65.2@129.65,51 132.121,53.471 133.94,53.471 ; 133.94,53.471 164.007,53.471 164.039,53.439 ; 164.039,53.439 167.672,53.439 ; R56.2@166.85,39.9 167.2,39.55 167.2,29.876 ; R56.2@166.85,39.9 R56.2@166.85,40 R54.2@166.85,42.4 166.85,45.216 170.439,48.805 170.439,50.672 167.672,53.439 ; 167.2,29.876 168.423,28.653 168.423,22.735 168.339,22.651 168.339,17.287 ; 167.672,53.439 169.233,55 189.5,55 192.5,52 R45.2@192.5,50.9 ; 177.684,20.767 177.684,14.184 184.335,14.184 U15.8@184.36,14.159 ; U15.8@184.36,14.159 184.36,15.292 184.968,15.9 191.567,15.9 194.029,18.362 194.029,22.863 192.992,23.9